# KiCad board C816SX.kicad_pcb (continued)
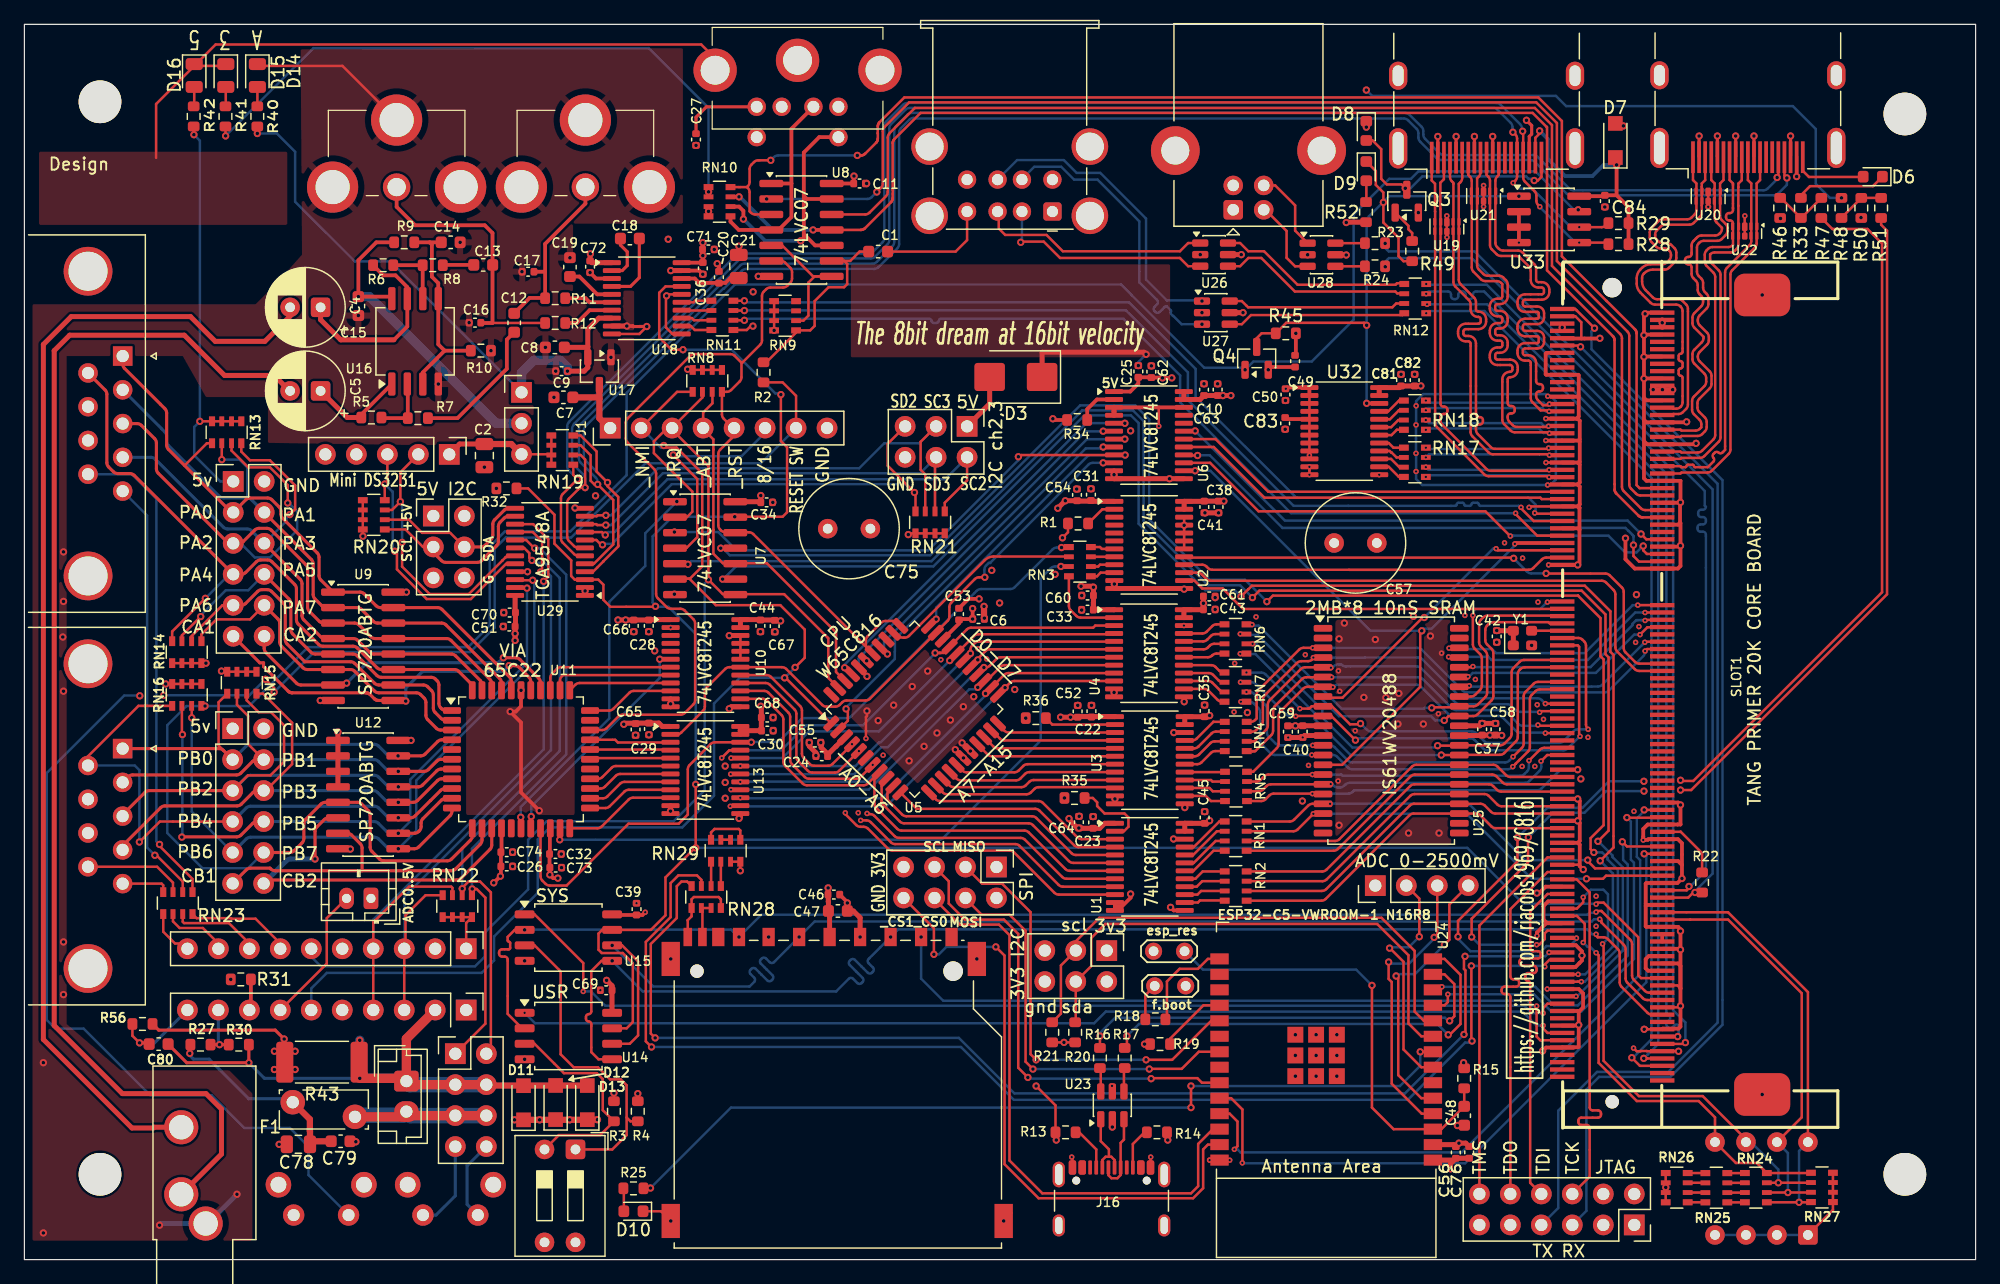
[diagram p0: board, top side]
## Routing (per net, layer and track width the routed paths; a pad name or vN(x,y) marks a point on that pad's centre or on a via; arc(x,y) is an arc through that point) (continued)
/PB0: length 34.9
  Top w0.203: J7.3 15.92,42.18 15.92,45.73 RN15.5 ; v1(30.64,41.33) U12.15
  Top w0.254: J7.3 16.32,41.78 arc(16.16,41.89) 15.97,41.93 J8.1 ; U12.15 32.5,41.33 arc(32.7,41.37) 32.86,41.48 33.89,42.51 arc(34.05,42.61) 34.24,42.65 U11.4
  Bottom w0.254: J7.3 18.19,42.13 arc(18.35,42.24) 18.54,42.28 28.69,42.28 arc(28.89,42.24) 29.05,42.13 29.7,41.48 arc(29.87,41.37) 30.06,41.33 v1(30.64,41.33)
/PB1: length 34.8
  Top w0.203: RN15.6 17.43,45.52 18.34,44.61 18.34,42.3 J7.4
  Top w0.254: J8.2 8.52,39.62 arc(8.68,39.73) 8.87,39.77 17.39,39.77 arc(17.58,39.81) 17.74,39.91 18.71,40.88 arc(18.87,40.99) 19.06,41.02 J7.4 ; U11.6 34.18,41.05 arc(33.99,41.01) 33.83,40.91 33.13,40.21 arc(32.97,40.1) 32.77,40.06 v1(30.66,40.06)
  Bottom w0.254: J7.4 28.68,41.02 arc(28.87,40.99) 29.03,40.88 29.7,40.21 arc(29.87,40.1) 30.06,40.06 v1(30.66,40.06)
/PB2: length 42
  Top w0.203: RN15.7 18.23,45.89 19.2,44.91 20.22,44.91 21.29,43.85 21.29,40.85 20.17,39.73 18.33,39.73 J7.5
  Top w0.254: J8.3 8.06,36.5 9.89,38.34 arc(10.05,38.45) 10.24,38.48 J7.5 ; U11.7 34.17,40.25 arc(33.98,40.21) 33.82,40.11 32.65,38.94 arc(32.49,38.83) 32.29,38.79 v1(30.66,38.79)
  Bottom w0.254: v1(30.66,38.79) 30.06,38.79 arc(29.87,38.83) 29.7,38.94 29.05,39.59 arc(28.89,39.7) 28.69,39.74 18.54,39.74 arc(18.35,39.7) 18.19,39.59 J7.5
/PB3: length 40.8
  Top w0.203: J7.6 19.78,38.48 21.95,40.66 21.95,44.05 19.56,46.44 RN15.8
  Top w0.254: U11.8 34.23,39.45 arc(34.03,39.41) 33.87,39.31 32.23,37.67 arc(32.07,37.56) 31.88,37.52 v1(30.66,37.52) ; J8.4 8.06,33.76 arc(8.09,33.95) 8.2,34.11 11.17,37.08 arc(11.34,37.19) 11.53,37.23 17.44,37.23 arc(17.63,37.27) 17.79,37.37 18.75,38.34 arc(18.92,38.45) 19.11,38.48 J7.6
  Bottom w0.254: J7.6 28.6,38.48 arc(28.8,38.45) 28.96,38.34 29.63,37.67 arc(29.79,37.56) 29.98,37.52 v1(30.66,37.52)
/PB4: length 47.8
  Top w0.2: v1(9.43,34.27) 11.11,35.94 12.17,35.94
  Top w0.203: RN16.5 9.35,45.44 5.22,41.3 J8.6 ; J7.7 12.17,35.94
  Top w0.254: v1(30.66,36.25) 31.67,36.25 arc(31.87,36.29) 32.03,36.4 33.3,37.67 33.31,37.67 34.14,38.51 arc(34.3,38.61) 34.5,38.65 U11.9
  Bottom w0.2: v1(9.43,34.27) 9.43,40.16 9.05,40.54 J8.6
  Bottom w0.254: v1(30.66,36.25) 30.06,36.25 arc(29.87,36.29) 29.7,36.4 29.05,37.05 arc(28.89,37.16) 28.69,37.2 18.54,37.2 arc(18.35,37.16) 18.19,37.05 J7.7
/PHI2: length 17.2
  Top w0.2: RN3.6 85.63,57.69 80.04,57.69
  Top w0.203: U5.35 71.37,51.32 arc(71.69,51.11) 72.07,51.03 72.18,51.03 arc(72.37,51.07) 72.54,51.18 78.76,57.4 arc(79.08,57.61) 79.46,57.69 80.04,57.69
/PHI2.2: length 59.7
  Top w0.203: v1(84.99,56.88) 85,56.87 RN3.7 ; U11.21 43.9,35.36 v1(43.9,34.45)
  Bottom w0.203: v1(84.99,56.88) 84.52,56.88 arc(84.33,56.84) 84.17,56.73 83.49,56.05 arc(83.38,55.89) 83.34,55.7 83.34,42.81 arc(83.3,42.62) 83.2,42.45 75.34,34.59 arc(75.17,34.49) 74.98,34.45 v1(43.9,34.45)
/RDY: length 32.3
  Top w0.203: v1(90.24,68.63) U6.5
  Bottom w0.203: v1(67.26,48.57) 67.26,48.82 87.08,68.64 90.23,68.64 v1(90.24,68.63)
/RS0: length 11.3
  Top w0.203: U11.36 43.12,47.72 arc(43.16,47.91) 43.27,48.07 43.67,48.47 arc(43.83,48.57) 44.02,48.61 U10.7
/RS1: length 10.2
  Top w0.203: U11.35 43.92,47.52 arc(43.96,47.71) 44.07,47.87 44.16,47.96 U10.8
/RS2: length 8.5
  Top w0.203: U10.9 45.53,47.31 arc(45.34,47.27) 45.17,47.17 U11.34
/RS3: length 7.2
  Top w0.203: U11.33 47.94,45.05 arc(48.13,45.09) 48.3,45.2 49.61,46.52 arc(49.78,46.62) 49.97,46.66 U10.10
/RW: length 50.2
  Top w0.203: U6.10 v1(88.46,65.38) ; U13.2 53.51,43.1 arc(53.7,43.14) 53.86,43.25 55.65,45.04 arc(55.76,45.2) 55.8,45.39 55.8,46.59 arc(55.84,46.78) 55.95,46.95 57.47,48.47 arc(57.63,48.57) 57.82,48.61 U10.18 62.11,48.61 arc(62.31,48.57) 62.47,48.47 65.42,45.52 arc(65.58,45.41) 65.77,45.37 66.5,45.37 arc(66.69,45.41) 66.85,45.52 67.07,45.73 arc(67.23,45.84) 67.42,45.88 68.98,45.88 arc(69.17,45.92) 69.34,46.02 U5.32 74.74,51.45 75.7,52.41 arc(75.81,52.57) 75.85,52.77 75.85,53.54 arc(75.89,53.74) 76,53.9 77.94,55.84 arc(78.1,55.95) 78.29,55.99 v1(78.75,55.99)
  Bottom w0.203: v1(88.46,65.38) 87.6,65.38 arc(87.41,65.34) 87.25,65.23 79.2,57.18 79.2,57.16 79.07,57.16 78.86,56.95 arc(78.76,56.79) 78.72,56.6 78.72,56.02 v1(78.75,55.99)
/T13_IOR8B_FPGA_RXO: length 90
  Top w0.203: v1(128.75,76.42) 127.3,77.87 127.3,77.87 127.16,78.01 127.15,78 SLOT1.1
  Bottom w0.203: J2.5 128.08,4 128.08,13.95 129.12,14.99 134.97,14.99 139.25,19.27 139.25,21.3 139.25,63.95 128.5,74.7 128.5,76.18 v1(128.75,76.42)
/USB/PS2DAT: length 18
  Top w0.305: J5.1 62.9,92.79 62.9,88.3 ; RN10.5 57.9,85.16 58.58,84.49 61.84,84.49 62.9,85.54 62.9,88.3 ; 62.9,88.3 60.86,88.3
/USB/PSCLK: length 22.3
  Top w0.305: 63.91,87.28 64.17,87.03 65.81,87.03 ; 63.91,87.28 63.91,90.84 65.18,92.1 J5.5 ; 63.91,87.28 63.91,84.14 ; v1(63.66,83.6) 63.91,83.85 63.91,84.14 ; RN10.6 58.6,86.4 58.96,86.05 v1(58.96,85.38) ; 63.91,84.14 64.84,83.22 65.81,83.22
  Bottom w0.305: v1(63.66,83.6) 60.74,83.6 v1(58.96,85.38)
/USB/UD3N: length 2.4
  Top w0.203: U28.4 R24.1
/USB/UD3P: length 2.4
  Top w0.203: U28.6 R23.1
/USB/UD11N: length 16
  Top w0.2: RN12.6 113.12,79.28 112.57,79.28 112.41,79.44 104.18,79.44 101.43,82.19 100.36,82.19 99.69,81.51 U26.4
/USB/UD11P: length 16
  Top w0.2: U26.6 99.69,83.41 100.36,82.73 101.65,82.73 104.4,79.98 111.55,79.98 111.56,79.99 112.43,79.99 112.55,80.11 113.09,80.11 RN12.5
/USB/UD21N: length 14.7
  Top w0.2: U27.4 99.83,76.75 100.58,77.5 113,77.5 RN12.8
/USB/UD21P: length 14.7
  Top w0.2: 100.22,78.26 99.83,78.65 U27.6
  Top w0.203: RN12.7 112.49,78.45 112.17,78.14 100.35,78.14 100.22,78.26
/USB/UD_1N: length 18.1
  Top w0.2: U26.3 95.43,81.51 94.75,82.19 84.93,82.19 83.59,83.53 81.75,83.53 v1(81.7,83.47)
  Bottom w0.2: J20.2 81.8,83.57 v1(81.7,83.47)
/USB/UD_1P: length 19
  Top w0.2: J20.3 79.9,85.9 79.9,84.6 80.43,84.08 83.81,84.08 85.15,82.73 94.75,82.73 95.43,83.41 U26.1
/USB/UD_2N: length 25.2
  Bottom w0.2: 81.72,88.7 81.8,88.62 81.8,88.66 82.81,89.67 85.02,89.67 86.07,88.62 88,88.62 91.43,85.19 91.43,80.19 92.88,78.73 arc(92.95,78.56) 92.88,78.39 92.67,78.17 arc(92.6,78) 92.67,77.83 92.75,77.75 arc(92.92,77.68) 93.09,77.75 93.55,78.21 arc(93.62,78.24) 93.69,78.21 94.01,77.89 arc(94.04,77.82) 94.01,77.75 arc(93.98,77.68) 94.01,77.6 94.19,77.42 94.21,77.42 94.89,76.75 v1(96.56,76.75)
/USB/UD_2P: length 25.1
  Bottom w0.2: v1(96.56,78.65) 96.51,78.7 93.69,78.7 91.97,80.41 91.97,85.41 88.22,89.16 86.28,89.16 85.23,90.22 81.4,90.22 79.8,88.62
/VD0: length 6.7
  Top w0.2: 48.66,42.43 48.44,42.65 48.24,42.65
  Top w0.203: 52.98,42.45 52.96,42.43 48.66,42.43 ; U11.30 48.24,42.65
/VD1: length 6.6
  Top w0.203: U11.29 52.93,41.85 U13.4
/VD2: length 6.6
  Top w0.203: U11.28 46.48,41.15 U13.5
/VD3: length 7
  Top w0.203: U11.26 47.04,39.45 arc(47.24,39.49) 47.4,39.6 48.15,40.35 arc(48.31,40.46) 48.51,40.5 U13.6
/VD4: length 7
  Top w0.203: U13.7 48.86,39.85 arc(48.66,39.81) 48.5,39.7 47.6,38.8 arc(47.44,38.69) 47.24,38.65 U11.25
/VD5: length 7.1
  Top w0.203: U11.24 47.44,37.85 arc(47.64,37.89) 47.8,38 48.85,39.05 arc(49.01,39.16) 49.21,39.2 U13.8
/VD6: length 7.2
  Top w0.203: U11.23 47.64,37.05 arc(47.84,37.09) 48,37.2 49.2,38.4 arc(49.36,38.51) 49.56,38.55 U13.9
/VD7: length 9.3
  Top w0.203: U11.22 46.98,35.39 arc(47.17,35.43) 47.34,35.54 49.55,37.75 arc(49.71,37.86) 49.91,37.9 U13.10
/VDA: length 29.7
  Top w0.203: v1(70.77,49.69) 70.74,49.69 U5.37 ; v1(90.24,67.33) U6.7
  Bottom w0.203: v1(90.24,67.32) 90.23,67.32 87.13,67.32 70.49,50.68 70.49,49.97 70.82,49.64 v1(70.77,49.69)
/VPA: length 34.1
  Top w0.203: v1(88.46,66.67) 88.53,66.61 89.28,66.61 U6.8 ; v1(67.38,45.19) 67.52,45.04 67.52,44.21 U5.2
  Bottom w0.203: v1(67.38,45.19) 67.52,45.33 67.52,45.43 71.37,49.29 71.37,49.87 71.38,49.88 71.38,50.91 87.03,66.56 88.34,66.56 v1(88.46,66.67)
_ABT.: length 124.6
  Top w0.2: v1(128.69,33.41) 128.43,33.68 128.43,34.58
  Top w0.203: 128.43,34.58 129.5,35.64 129.5,49.25 129.24,49.51 129.24,52.64 127.4,54.47 127.4,54.48 127.4,54.48 102.38,54.48 v1(101.88,53.99) ; SLOT1.177 127.38,22.8 127.38,22.81 v2(127.67,22.81)
  Bottom w0.2: v1(128.69,33.41) 129.38,33.41 129.82,32.97
  Bottom w0.203: v1(101.88,53.99) 100.09,55.78 97.18,55.78 92.23,60.73 92.23,68.94 91.09,70.08 86.57,70.08 74.28,57.79 57.84,57.79 57.22,58.41 57.13,58.41 v1(57.1,58.37) ; v2(127.67,22.81) 127.95,22.81 130.67,25.52 130.67,31.99 129.82,32.83 129.82,32.97
_CE_RAM1: length 25
  Top w0.203: 106.35,46.2 106.44,46.11 108.08,46.11 114.66,52.69 v1(114.79,52.69) ; v2(120.68,58.33) 120.82,58.2 126.1,58.2 SLOT1.67
  Bottom w0.203: v2(120.68,58.33) 120.43,58.33 v1(114.79,52.69) 114.7,52.78
_CESD: length 59.6
  Top w0.203: v2(124,20.81) 124,18.3 124.3,18 SLOT1.193
  Bottom w0.203: v2(124,20.81) 123.68,20.81 123.24,21.24 75.34,21.24 73.53,23.05 v1(73.53,26.47)
_CSFLASH: length 90.4
  Top w0.203: SLOT1.183 124.9,21 124.53,20.64 v2(124.53,20.22) ; U15.1 41.83,28.33 45.83,24.33 v2(45.83,22)
  Bottom w0.203: v2(45.83,22) 46.46,22 47.63,20.83 122.99,20.83 123.6,20.22 v2(124.53,20.22)
_CSFLASH2: length 86.7
  Top w0.203: SLOT1.191 124.9,18.6 124.53,18.96 v2(124.53,19.21)
  Bottom w0.203: v2(41.02,20.25) 41.87,19.4 87.72,19.4 88.68,20.35 122.84,20.35 123.98,19.21 v2(124.53,19.21)
_CSVIA: length 45.8
  Top w0.203: SLOT1.90 132.42,48.9 arc(132.23,48.94) 132.07,49.05 131.29,49.82 arc(131.18,49.98) 131.15,50.17 131.15,54.79 arc(131.11,54.98) 131,55.14 130,56.14 arc(129.84,56.25) 129.65,56.29 124.79,56.29 v1(124.78,56.3) ; v1(122.12,57.54) 122.06,57.6 95.17,57.6 U2.17
  Bottom w0.203: v1(124.78,56.3) 123.56,56.3 arc(123.37,56.34) 123.21,56.45 v1(122.12,57.54) 122.22,57.65
_hdmi_rx: length 49.9
  Top w0.203: v1(110.06,76.66) 109.86,76.87 103.47,76.87 R45.1 101.45,76 101.05,75.6 Q4.3 ; D9.1 110.82,89.32 110.82,88.18 111.44,87.56 v1(111.44,86.75) 111.44,85.1 112.68,83.85 112.68,82.33 113.09,81.92 R49.2
  Top w0.254: v1(110.06,70.26) 110.07,70.25 U32.22
  Bottom w0.203: v1(122.55,87.25) 111.9,87.25 110.24,85.59 110.24,85.45 110.06,85.27 v1(110.06,76.66) v1(110.06,70.26)
_IRQ.: length 124.4
  Top w0.2: v1(129.22,32.72) 130.31,33.81 130.31,34.75
  Top w0.203: SLOT1.175 127.4,23.4 v2(127.41,23.4) ; 130.31,34.75 130.31,49.61 130.05,49.87 130.05,53.19 127.95,55.29 100.66,55.29 100.36,55 100.35,55 v1(99.76,54.4)
  Bottom w0.2: 129.09,32.59 v1(129.22,32.72)
  Bottom w0.203: v1(129.22,32.72) 130.26,31.68 130.26,25.69 127.97,23.4 v2(127.41,23.4) ; v1(99.76,54.4) 99.24,54.92 96.83,54.92 91.37,60.38 91.37,68.64 90.73,69.27 86.92,69.27 74.53,56.88 58.35,56.88 57.31,55.83 v1(57.26,55.83)
_IRQVIA: length 32.3
  Top w0.203: 53.3,62.22 53.48,62.22 v1(53.5,62.2) ; v1(40.7,36.3) 40.7,35.41 U11.17
  Bottom w0.203: v1(53.5,62.2) 53.5,62.19 50.91,59.6 50.91,56.92 47.96,53.97 47.96,44.4 40.7,37.14 v1(40.7,36.3)
_NMI.: length 129.2
  Top w0.203: 126.1,21.6 SLOT1.181 v2(127.23,21.6) ; U7.5 54.36,57.1 v1(54.41,57.05) ; v1(100.7,54.32) 101.27,54.89 127.7,54.89 129.65,52.94 129.65,49.67 129.9,49.42 129.9,35.19 v1(129.03,34.33)
  Bottom w0.203: v1(129.03,34.33) 129.06,34.33 130.22,33.16 130.22,33.03 131.07,32.19 131.07,25.35 127.32,21.6 v2(127.23,21.6) ; v1(100.7,54.32) 99.69,55.33 97.06,55.33 91.78,60.61 91.78,68.8 90.9,69.68 86.76,69.68 86.73,69.65 86.72,69.65 74.38,57.31 54.67,57.31 v1(54.41,57.05)
_RE: length 16.3
  Top w0.203: U25.37 118.61,46.2 arc(118.8,46.24) 118.97,46.35 119.37,46.75 arc(119.47,46.91) 119.51,47.1 119.51,49.33 arc(119.47,49.52) 119.37,49.68 118.92,50.13 arc(118.81,50.29) 118.78,50.48 v2(118.78,52.86) ; v2(124.89,53.95) 124.94,54 SLOT1.73
  Bottom w0.203: v2(124.89,53.95) 124.86,53.95 124.29,53.38 119,53.38 118.8,53.18 118.8,52.88 v2(118.78,52.86)
_RESET.: length 195.6
  Top w0.2: 49.34,53.56 48.05,53.56 47.48,54.13 47.48,55.38 47.06,55.8 45.96,55.8
  Top w0.203: v2(128.88,29.17) 129,29.29 129.5,29.29 132.34,26.45 132.34,23.32 132.56,23.1 SLOT1.176 ; v1(62.03,70.97) 62.03,67.16 62.54,66.66 62.54,61.32 62.17,60.95 v1(58.25,60.95) ; R32.2 41.31,63.28 43.47,61.12 43.47,58.74 44.84,57.37 44.84,56.09 45.13,55.8 45.96,55.8 ; v1(55.05,38.99) v1(55.05,33.79) 55,33.79 52.57,31.36 52.57,28.25 51.37,27.06 U15.7 47.38,27.06 47.08,26.75 47.08,25.43 47.35,25.16 49.06,25.16 49.89,24.33 49.89,19.49 49.38,18.98 U14.7 48.38,18.79 ; 49.34,53.56 51.71,53.56 v1(51.75,53.6) ; 48.2,27.05 48.64,27.05 ; U18.17 52.58,79.85 52.06,79.33 52.06,75.67 53.07,74.66 v1(54.01,74.66)
  Bottom w0.203: v1(55.05,33.79) 118.32,33.79 122.91,29.2 128.85,29.2 v2(128.88,29.17) ; v1(58.25,60.95) 53.13,60.95 51.52,59.34 51.52,53.9 51.86,53.56 52.81,53.56 55.05,51.33 v1(55.05,38.99) ; v1(62.03,70.97) 61.93,71.07 61.58,71.07 57.99,74.66 v1(54.01,74.66)
_VP.: length 32.8
  Top w0.203: SLOT1.51 102,63 97.68,67.33 U6.18
_WPFLASH: length 26.9
  Top w0.2: 43.97,23.65 43.84,23.78
  Top w0.203: 43.84,23.78 41.83,25.79 U15.3 ; 49.38,11.66 49.38,10.22 48.21,9.04 SW1.1 ; 49.38,11.66 49.38,14.31 48.9,14.79 48.03,14.79 47.04,15.78 45.04,15.78 43.97,16.85 43.97,23.65 ; 49.38,11.66 49.7,11.35 R4.2
_WPFLASH2: length 18.1
  Top w0.2: U14.3 41.83,17.71 43.47,16.08
  Top w0.203: 43.47,16.08 44.25,15.3 46.94,15.3 47.43,14.81 47.43,12.26 R3.2 47.21,10.22 43.83,10.22 SW1.2
A16: length 18.2
  Top w0.2: v2(132.87,50.65) 132.92,50.7 SLOT1.84
  Top w0.203: v2(118.47,47.08) 118.47,47.03 118.44,47 U25.38
  Bottom w0.2: v2(132.87,50.65) 132.65,50.43 132.65,50.43 129.38,47.17 arc(129.22,47.06) 129.03,47.02 128.5,47.02
  Bottom w0.203: 128.5,47.02 118.54,47.02 v2(118.47,47.08)
A17: length 18.3
  Top w0.203: 117.07,47.8 U25.39 ; 118.34,47.8 v2(118.37,47.83) ; SLOT1.80 134.28,51.88 133.09,51.88 v2(132.48,51.28)
  Bottom w0.2: 118.76,48.13 118.46,47.83 v2(118.37,47.83)
  Bottom w0.203: v2(132.48,51.28) 132,51.28 128.86,48.14 119.04,48.14 119.04,48.13 118.76,48.13
A18: length 18.5
  Top w0.2: 117.8,48.6 118.71,48.6 v2(118.78,48.66)
  Top w0.203: 134.33,52.53 SLOT1.78 134.29,52.49 132.94,52.49 v2(132.9,52.44)
  Bottom w0.2: 118.68,48.62 128.42,48.62
  Bottom w0.203: 118.68,48.62 118.72,48.66 v2(118.78,48.66) ; 128.42,48.62 131.86,52.06 131.86,52.16 132.17,52.47 132.87,52.47 v2(132.9,52.44)
A19: length 19.4
  Top w0.203: 132.82,53.09 134.29,53.09 SLOT1.76
  Bottom w0.203: v2(116.79,49.46) 120.05,49.46 120.31,49.2 128.19,49.2 132.09,53.09 v2(132.9,53.09) 132.82,53.09
A20: length 20.4
  Top w0.203: 117.89,50.29 117.77,50.17 v2(116.82,50.17) ; 132.34,53.7 SLOT1.74
  Bottom w0.203: v2(116.82,50.17) 116.9,50.09 120.35,50.09 120.68,49.77 127.95,49.77 131.88,53.7 v2(132.3,53.7)
A_0: length 29.3
  Top w0.2: SLOT1.135 120.65,35.4 arc(120.46,35.44) 120.29,35.55 119.39,36.45 arc(119.22,36.56) 119.03,36.6 117.8,36.6
  Top w0.203: 126.09,35.39 SLOT1.135 ; 117.8,36.6 113.92,36.6 arc(113.73,36.56) 113.57,36.45 106.71,29.6 arc(106.55,29.49) 106.36,29.45 RN2.1
A_1: length 29.4
  Top w0.2: 117.8,37.4 U25.26 119.4,37.4 arc(119.59,37.36) 119.76,37.25 120.26,36.75 arc(120.42,36.64) 120.61,36.6 SLOT1.131
  Top w0.203: RN2.2 106.4,30.25 arc(106.59,30.29) 106.75,30.4 113.61,37.25 arc(113.77,37.36) 113.96,37.4 117.8,37.4 ; 126.07,36.57 SLOT1.131
A_2: length 29.2
  Top w0.2: SLOT1.129 121.13,37.2 arc(120.94,37.24) 120.78,37.35 120.07,38.05 arc(119.91,38.16) 119.72,38.2 117.8,38.2
  Top w0.203: RN2.3 106.43,31.05 arc(106.62,31.09) 106.79,31.2 113.64,38.05 arc(113.81,38.16) 114,38.2 117.8,38.2 ; 126.07,37.17 SLOT1.129
A_3: length 29
  Top w0.2: 117.8,39 120.09,39 arc(120.28,38.96) 120.44,38.85 120.75,38.55 arc(120.91,38.44) 121.1,38.4 SLOT1.125
  Top w0.203: 126.08,38.39 SLOT1.125 ; RN2.4 106.42,31.85 arc(106.61,31.89) 106.77,32 113.63,38.85 arc(113.79,38.96) 113.98,39 117.8,39
A_4: length 28.7
  Top w0.2: 117.8,39.8 120.35,39.8 arc(120.55,39.76) 120.71,39.65 121.21,39.15 arc(121.38,39.04) 121.57,39 SLOT1.123
  Top w0.203: 117.8,39.8 114.02,39.8 arc(113.83,39.76) 113.67,39.65 107.71,33.7 arc(107.55,33.59) 107.36,33.55 RN1.1
A_5: length 28.8
  Top w0.2: SLOT1.121 121.86,39.6 arc(121.67,39.64) 121.5,39.75 120.8,40.45 arc(120.63,40.56) 120.44,40.6 117.8,40.6
  Top w0.203: RN1.2 107.47,34.35 arc(107.66,34.39) 107.83,34.5 113.78,40.45 arc(113.95,40.56) 114.14,40.6 117.8,40.6
A_6: length 38.4
  Top w0.203: SLOT1.148 129.7,31.5 129.45,31.25 v1(128.09,31.25) ; 105.6,36.6 106.35,36.6 105.92,36.6 arc(105.73,36.56) 105.57,36.45 104.41,35.3 arc(104.25,35.19) 104.06,35.15 RN1.3
  Bottom w0.203: 105.6,36.6 105.62,36.58 v2(105.69,36.58) 118.06,36.58 arc(118.25,36.54) 118.41,36.44 123.6,31.25 v1(128.09,31.25) 128.09,31.25
A_7: length 36.9
  Top w0.203: v1(128.19,32.78) 128.19,32.7 128.79,32.1 SLOT1.146 ; 107.1,37.4 v2(107.07,37.4) 105.63,37.4 arc(105.44,37.36) 105.27,37.25 104.12,36.1 arc(103.96,35.99) 103.76,35.95 RN1.4
  Bottom w0.203: 128.19,32.8 v1(128.19,32.78) 123.06,32.78 118.57,37.27 arc(118.4,37.38) 118.21,37.42 107.12,37.42 107.1,37.4
A_8: length 30.9
  Top w0.203: 105.59,38.21 106.34,38.21 106.35,38.2 106.31,38.23 v2(105.62,38.23) 102.44,38.23 arc(102.25,38.19) 102.09,38.09 101.77,37.77 arc(101.61,37.66) 101.42,37.62 RN5.1 ; v1(127.37,40.2) SLOT1.119 126.09,40.19
  Bottom w0.203: 105.59,38.21 105.62,38.23 108.56,38.23 arc(108.75,38.27) 108.91,38.38 109.05,38.51 124.06,38.51 arc(124.25,38.55) 124.41,38.66 125.79,40.04 arc(125.95,40.15) 126.15,40.19 127.36,40.19 v1(127.37,40.2)
A_9: length 27.6
  Top w0.203: 107.1,39 102.21,39 arc(102.02,38.96) 101.85,38.85 101.57,38.57 arc(101.41,38.46) 101.22,38.42 RN5.2 ; 126.09,41.4 SLOT1.115 124.87,41.4 v2(124.36,40.9)
  Bottom w0.203: v2(107.12,39.02) 107.19,39.09 107.19,39.05 107.36,38.89 arc(107.52,38.78) 107.71,38.74 107.88,38.74 arc(108.07,38.78) 108.23,38.89 108.32,38.98 arc(108.48,39.08) 108.67,39.12 123.05,39.12 arc(123.24,39.16) 123.41,39.27 124.24,40.1 arc(124.35,40.26) 124.39,40.46 124.39,40.88 v2(124.36,40.9)
A_10: length 28.9
  Top w0.203: 123.37,40.94 v2(123.38,40.95) 124.28,41.85 arc(124.44,41.95) 124.63,41.99 126.09,41.99 SLOT1.113 ; 105.6,39.8 106.35,39.8 102.01,39.8 arc(101.82,39.76) 101.65,39.65 101.37,39.37 arc(101.21,39.26) 101.02,39.22 100.25,39.22
  Bottom w0.203: 105.6,39.8 v2(105.62,39.8) 107.99,39.8 108.08,39.71 122.66,39.71 arc(122.85,39.74) 123.01,39.85 123.22,40.06 arc(123.33,40.23) 123.37,40.42 123.37,40.94
A_11: length 31.9
  Top w0.2: 126.09,43.21 SLOT1.109
  Top w0.203: v2(124.72,43.2) SLOT1.109 126.09,43.19 ; RN5.4 100.76,40.03 102.7,41.97 arc(102.81,42.13) 102.85,42.33 102.85,44.63 arc(102.89,44.82) 103,44.98 104.87,46.85 arc(105.03,46.96) 105.22,47 U25.7 107.27,47 v2(107.3,46.97) ; 106.34,47 106.35,47
  Bottom w0.203: v2(124.72,43.2) 124.68,43.24 122.66,43.24 arc(122.47,43.28) 122.31,43.39 121.23,44.46 arc(121.07,44.57) 120.88,44.61 117.13,44.61 arc(116.94,44.65) 116.78,44.75 114.5,47.03 arc(114.34,47.14) 114.15,47.17 107.71,47.17 arc(107.51,47.14) 107.35,47.03 v2(107.3,46.97)
A_12: length 32
  Top w0.203: 106.35,47.8 107.16,47.8 107.18,47.78 105.11,47.78 arc(104.92,47.74) 104.76,47.64 102.54,45.41 arc(102.43,45.25) 102.39,45.06 102.39,43.39 arc(102.35,43.2) 102.25,43.04 100.93,41.72 100.85,41.72 100.84,41.72 100.72,41.72 100.67,41.72 100.66,41.72 RN4.1 ; SLOT1.107 124.17,43.8 v2(124.11,43.86)
  Bottom w0.203: v2(124.11,43.86) 124.04,43.8 122.87,43.8 arc(122.68,43.83) 122.52,43.94 121.51,44.94 arc(121.35,45.05) 121.16,45.09 117.41,45.09 arc(117.22,45.13) 117.05,45.24 114.66,47.64 arc(114.49,47.74) 114.3,47.78 v2(107.19,47.78)
A_13: length 32.2
  Top w0.203: v2(124.25,44.9) 124.29,44.9 124.39,45 SLOT1.103 126.09,45.01 ; RN4.2 100.69,42.52 100.69,42.52 100.82,42.52 100.82,42.53 100.87,42.53 101.81,43.47 arc(101.92,43.63) 101.96,43.82 101.96,45.54 arc(102,45.74) 102.11,45.9 104.66,48.45 arc(104.83,48.56) 105.02,48.6 107.1,48.6 v2(107.14,48.56) 107.08,48.62 106.33,48.62
  Bottom w0.2: 114.17,48.67 108.75,48.67
  Bottom w0.203: v2(107.14,48.56) 107.17,48.6 107.29,48.6 107.39,48.7 arc(107.55,48.8) 107.74,48.84 107.97,48.84 108,48.82 arc(108.16,48.71) 108.35,48.67 108.75,48.67 ; v2(124.25,44.9) 124.25,44.86 124.17,44.94 122.64,44.94 arc(122.45,44.98) 122.29,45.08 121.95,45.43 arc(121.78,45.54) 121.59,45.57 117.69,45.57 arc(117.5,45.61) 117.33,45.72 114.53,48.53 arc(114.37,48.63) 114.17,48.67
A_14: length 31.9
  Top w0.2: v2(124.72,45.62) 126.08,45.62 SLOT1.101 ; v2(105.69,49.4) U25.4
  Top w0.203: v2(105.69,49.4) 105.69,49.33 105.61,49.25 arc(105.45,49.14) 105.26,49.1 104.71,49.1 arc(104.52,49.07) 104.35,48.96 101.7,46.3 arc(101.59,46.14) 101.55,45.95 101.55,44.21 arc(101.52,44.01) 101.41,43.85 101.02,43.46 arc(100.85,43.35) 100.66,43.31 100.24,43.31 RN4.3
  Bottom w0.2: 109.92,49.4 114.28,49.4 arc(114.48,49.36) 114.64,49.25 117.69,46.2 arc(117.85,46.09) 118.04,46.06 124.08,46.06 arc(124.27,46.02) 124.43,45.91 v2(124.72,45.62)
  Bottom w0.203: v2(105.69,49.4) 109.92,49.4
A_15: length 40.9
  Top w0.2: 134.29,50.09 SLOT1.86 133.06,50.1 v2(132.9,49.93) ; v2(105.64,50.2) 104.89,50.2 arc(104.69,50.16) 104.53,50.05
  Top w0.203: 104.53,50.05 101.19,46.71 arc(101.08,46.55) 101.05,46.36 101.05,44.4 100.91,44.27 arc(100.75,44.16) 100.56,44.12 RN4.4 ; 134.3,50.1 SLOT1.86
  Bottom w0.2: 117.94,46.68 114.58,50.05 arc(114.42,50.15) 114.23,50.19 106.35,50.19 ; v2(132.9,49.93) 132.9,49.87 arc(132.86,49.68) 132.75,49.51 130.23,47 129.92,46.68 ; v2(105.64,50.2) 106.28,50.2
  Bottom w0.203: 106.35,50.19 106.35,50.2 106.28,50.2 ; 117.94,46.68 arc(118.11,46.58) 118.3,46.54 129.57,46.54 arc(129.76,46.58) 129.92,46.68
B_TMDS0_N: length 31
  Top w0.2: 140.82,90.53 140.82,88.56 140.55,88.28 140.55,88 140.54,88 140.54,86.47 140.55,86.47 140.55,83.28 arc(140.51,83.09) 140.4,82.93 140.26,82.79 arc(140.09,82.68) 139.9,82.64 138.6,82.64 arc(138.41,82.6) 138.25,82.49 138.23,82.48 138.23,82.08 arc(138.27,81.89) 138.38,81.73 138.94,81.16 arc(139.05,81) 139.09,80.81 139.09,67.47 arc(139.05,67.28) 138.94,67.12 137.75,65.93 arc(137.59,65.82) 137.4,65.78 135.88,65.78 135.8,65.7 SLOT1.42
B_TMDS0_P: length 31
  Top w0.2: SLOT1.40 135.8,66.3 135.88,66.22 137.22,66.22 arc(137.41,66.26) 137.57,66.37 138.5,67.3 arc(138.61,67.46) 138.65,67.65 138.65,80.63 arc(138.61,80.82) 138.5,80.98 137.94,81.54 arc(137.83,81.71) 137.79,81.9 137.79,82.45 arc(137.83,82.64) 137.94,82.81 138.06,82.93 arc(138.23,83.04) 138.42,83.08 139.72,83.08 arc(139.91,83.12) 140.07,83.23 140.11,83.26 140.11,85.03 arc(140.03,85.2) 139.87,85.27 139.77,85.27 arc(139.6,85.34) 139.53,85.51 139.53,85.63 arc(139.6,85.8) 139.77,85.87 139.87,85.87 arc(140.03,85.94) 140.11,86.11 140.11,86.29 140.1,86.29 140.1,88.18 140.11,88.18 140.11,88.3 139.82,88.58 139.82,90.53
B_TMDS1_N: length 30.9
  Top w0.2: SLOT1.36 135.8,67.5 135.88,67.58 137.21,67.58 arc(137.41,67.62) 137.57,67.73 137.8,67.96 arc(137.91,68.12) 137.95,68.32 137.95,68.73 arc(137.91,68.93) 137.8,69.09 137.34,69.55 arc(137.23,69.72) 137.19,69.91 137.19,70.27 arc(137.23,70.46) 137.34,70.63 138.2,71.49 arc(138.31,71.65) 138.35,71.84 138.35,72.52 arc(138.31,72.72) 138.2,72.88 137.37,73.71 arc(137.26,73.87) 137.22,74.06 137.22,74.11 arc(137.26,74.31) 137.37,74.47 137.98,75.08 arc(138.09,75.24) 138.13,75.43 138.13,75.7 arc(138.09,75.89) 137.98,76.05 137.37,76.66 arc(137.26,76.82) 137.22,77.01 137.22,77.12 arc(137.26,77.31) 137.37,77.47 137.94,78.04 arc(138.05,78.21) 138.09,78.4 138.09,78.89 arc(138.05,79.08) 137.94,79.25 137.8,79.39 arc(137.69,79.55) 137.65,79.74 137.65,80.14 arc(137.62,80.33) 137.51,80.49 137.3,80.7 arc(137.19,80.87) 137.15,81.06 137.15,83.04 arc(137.19,83.23) 137.3,83.39 137.35,83.44 arc(137.51,83.55) 137.7,83.59 138.83,83.59 arc(139.02,83.63) 139.18,83.74 139.49,84.05 arc(139.6,84.21) 139.64,84.4 139.64,84.64 arc(139.6,84.83) 139.49,84.99 139.19,85.29 arc(139.08,85.45) 139.05,85.65 139.05,88.3 139.32,88.58 139.32,90.53
B_TMDS1_P: length 30.9
  Top w0.2: SLOT1.34 135.8,68.1 135.88,68.02 137.03,68.02 arc(137.22,68.06) 137.39,68.17 137.51,68.29 137.51,68.55 arc(137.47,68.74) 137.36,68.91 136.9,69.37 arc(136.79,69.53) 136.75,69.73 136.75,70.45 arc(136.79,70.65) 136.9,70.81 137.76,71.67 arc(137.87,71.83) 137.91,72.02 137.91,72.34 arc(137.87,72.53) 137.76,72.69 136.93,73.52 arc(136.82,73.69) 136.78,73.88 136.78,74.3 arc(136.82,74.49) 136.93,74.65 137.54,75.26 arc(137.65,75.42) 137.69,75.61 137.69,75.72 136.93,76.48 arc(136.82,76.64) 136.78,76.83 136.78,77.3 arc(136.82,77.49) 136.93,77.65 137.5,78.23 arc(137.61,78.39) 137.65,78.58 137.65,78.71 arc(137.61,78.9) 137.5,79.06 137.36,79.21 arc(137.25,79.37) 137.21,79.56 137.21,79.96 arc(137.18,80.15) 137.07,80.31 136.86,80.52 arc(136.75,80.68) 136.71,80.88 136.71,81.43 arc(136.64,81.6) 136.47,81.67 136.41,81.67 arc(136.24,81.74) 136.17,81.91 136.17,82.03 arc(136.24,82.2) 136.41,82.27 136.47,82.27 arc(136.64,82.34) 136.71,82.51 136.71,83.22 arc(136.75,83.41) 136.86,83.57 137.17,83.88 arc(137.33,83.99) 137.52,84.03 138.65,84.03 arc(138.84,84.07) 139,84.18 139.05,84.23 arc(139.16,84.39) 139.2,84.58 139.2,84.66 138.75,85.11 arc(138.64,85.27) 138.61,85.46 138.61,88.3 138.32,88.58 138.32,90.53
B_TMDS2_N: length 31.7
  Top w0.2: 137.82,90.53 137.82,88.58 137.55,88.3 137.55,88.02 137.54,88.02 137.54,86.49 137.55,86.49 137.55,85.93 arc(137.51,85.73) 137.4,85.57 136.89,85.06 arc(136.73,84.95) 136.54,84.92 134.53,84.92 arc(134.34,84.88) 134.18,84.77 133.87,84.46 arc(133.76,84.29) 133.72,84.1 133.72,84.03 arc(133.76,83.84) 133.87,83.67 133.98,83.56 arc(134.15,83.45) 134.34,83.41 134.68,83.41 arc(134.87,83.37) 135.03,83.26 135.31,82.98 arc(135.42,82.82) 135.46,82.63 135.46,82.19 arc(135.42,82) 135.31,81.83 134.86,81.38 arc(134.69,81.27) 134.5,81.23 133.54,81.23 arc(133.15,81.15) 132.83,80.94 132.8,80.91 arc(132.69,80.74) 132.65,80.55 132.65,80.25 arc(132.73,79.86) 132.94,79.54 133.53,78.95 arc(133.7,78.84) 133.89,78.8 135.62,78.8 arc(135.82,78.76) 135.98,78.65 136.26,78.37 arc(136.37,78.21) 136.41,78.01 136.41,70.16 arc(136.37,69.96) 136.26,69.8 135.99,69.53 arc(135.83,69.42) 135.63,69.38 135.21,69.38 135.12,69.3 SLOT1.30